# KiCad board SparkFun_GNSS_HAT+_panelized.kicad_pcb (continued)
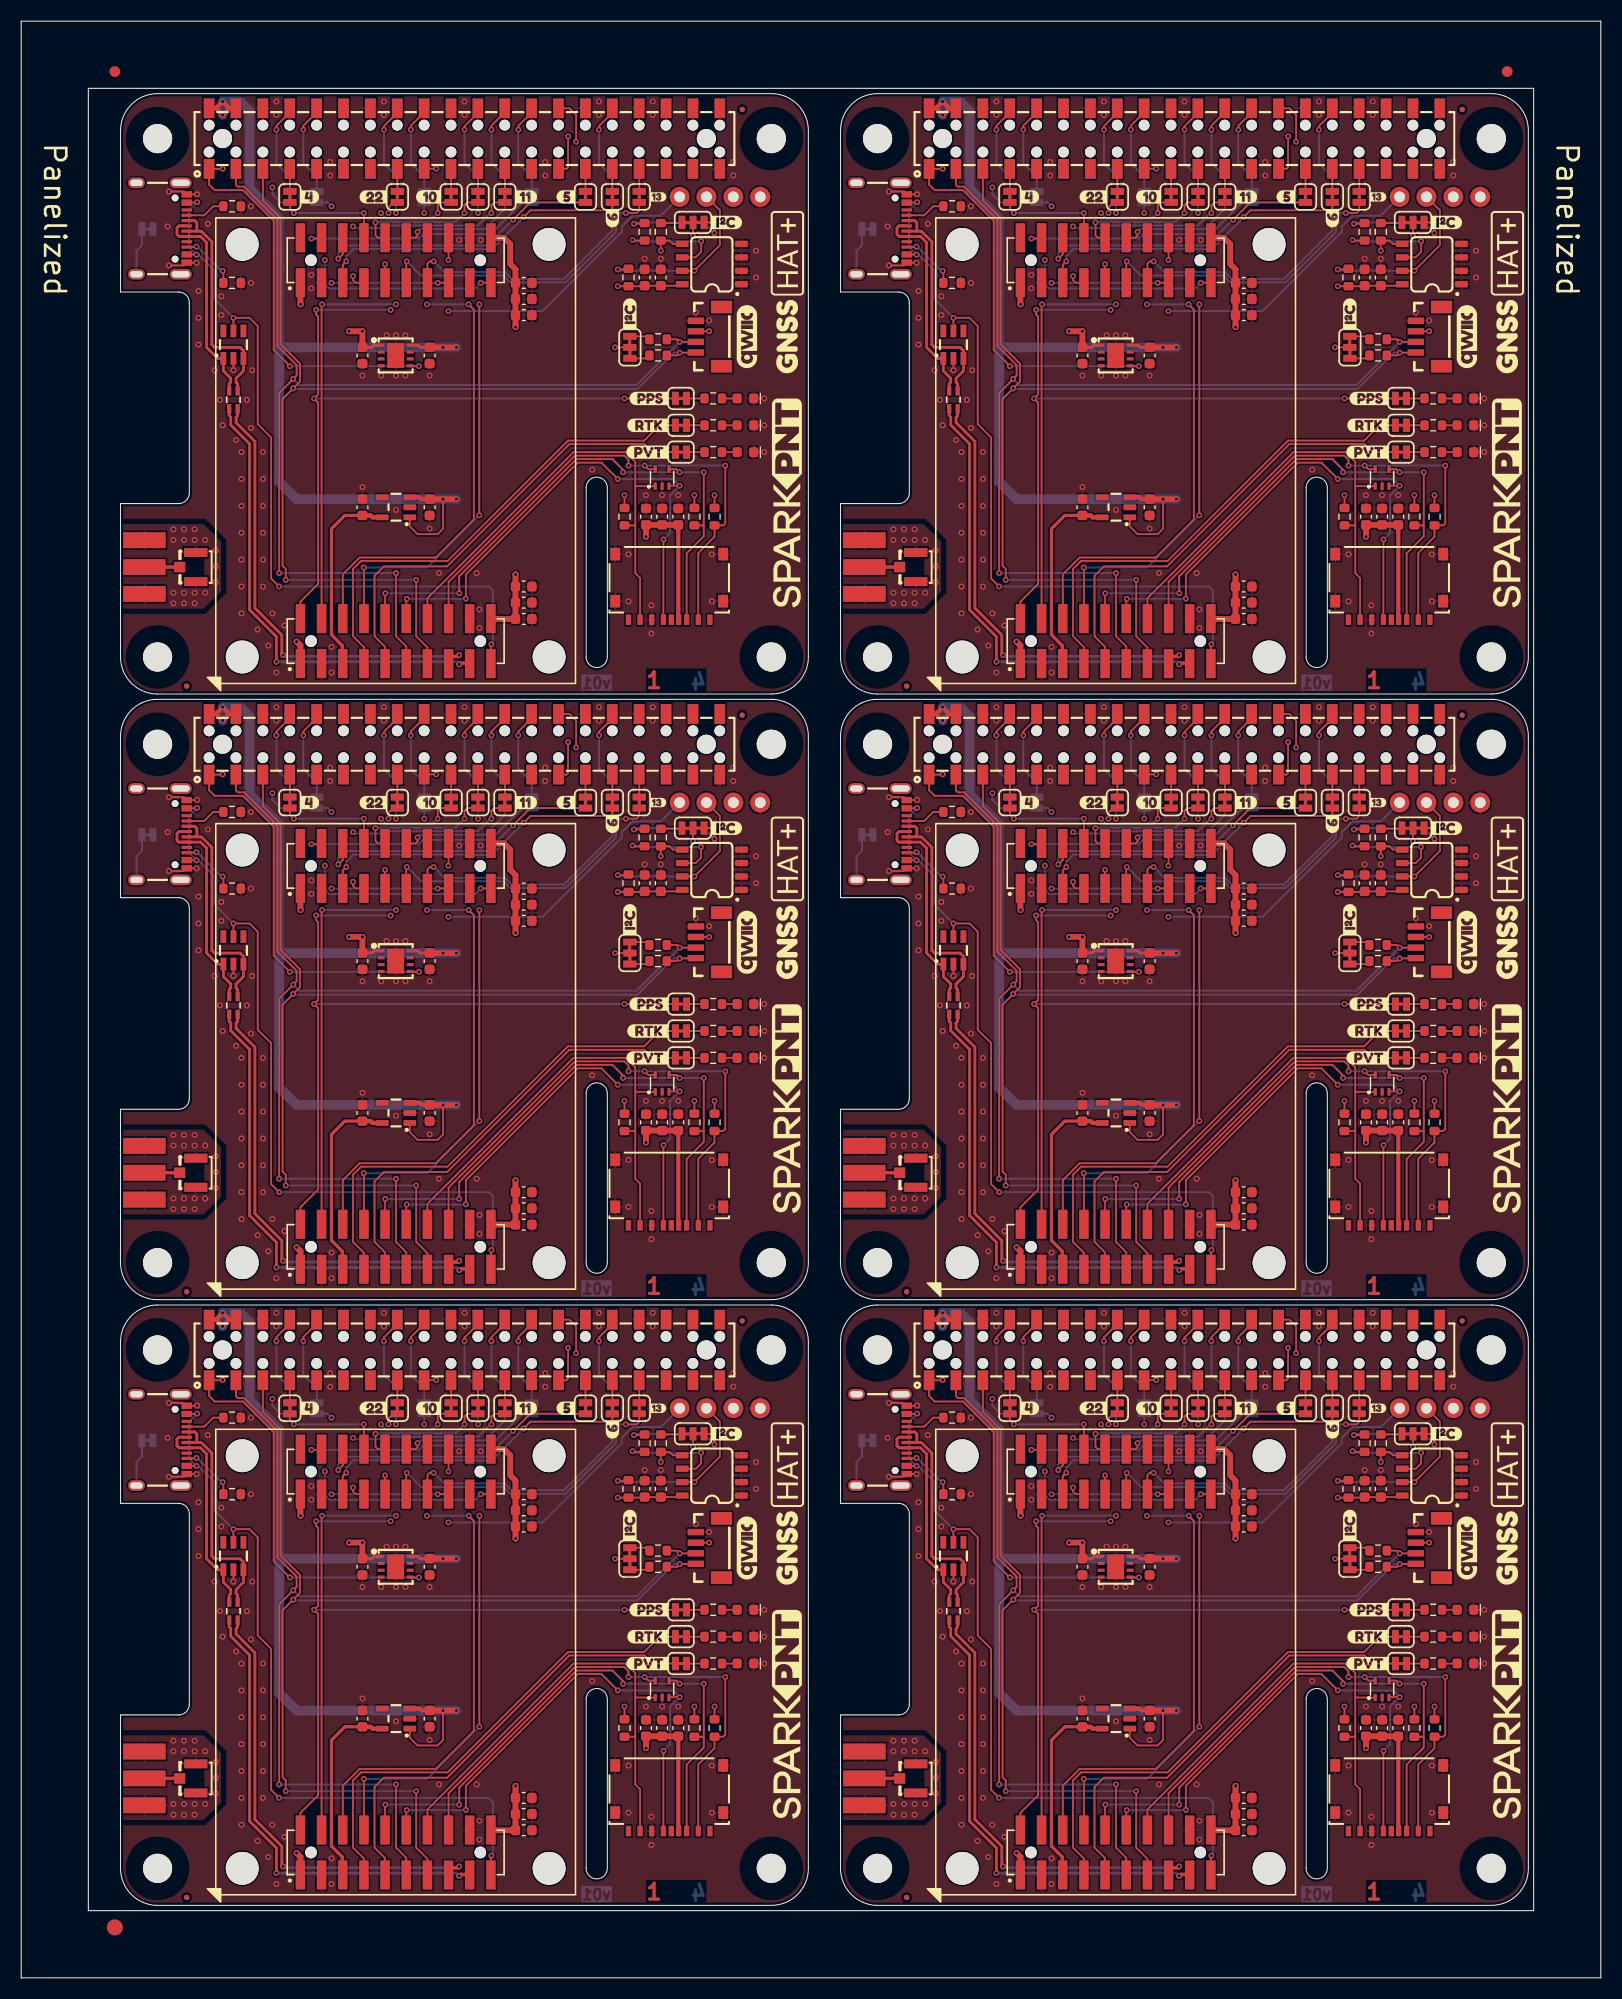
[diagram p0: board, top side]
## Placement (name value [footprint] x y rotation side) (continued)
JP9#5  ~  [Jumper_2_NC_Trace]  111.21 168.34 90 bottom
JP9#6  ~  [Jumper_2_NC_Trace]  43.17 53.84 90 bottom
JP10  ~  [Jumper_2_NC_Trace]  25.39 168.34 270 top
JP10#2  ~  [Jumper_2_NC_Trace]  93.43 111.09 270 top
JP10#3  ~  [Jumper_2_NC_Trace]  25.39 111.09 270 top
JP10#4  ~  [Jumper_2_NC_Trace]  25.39 53.84 270 top
JP10#5  ~  [Jumper_2_NC_Trace]  93.43 168.34 270 top
JP10#6  ~  [Jumper_2_NC_Trace]  93.43 53.84 270 top
JP11  ~  [Jumper_2_NC_Trace]  121.37 53.84 270 top
JP11#2  ~  [Jumper_2_NC_Trace]  53.33 53.84 270 top
JP11#3  ~  [Jumper_2_NC_Trace]  121.37 168.34 270 top
JP11#4  ~  [Jumper_2_NC_Trace]  53.33 111.09 270 top
JP11#5  ~  [Jumper_2_NC_Trace]  53.33 168.34 270 top
JP11#6  ~  [Jumper_2_NC_Trace]  121.37 111.09 270 top
JP12  ~  [Jumper_2_NC_Trace]  55.87 168.34 270 top
JP12#2  ~  [Jumper_2_NC_Trace]  55.87 53.84 270 top
JP12#3  ~  [Jumper_2_NC_Trace]  55.87 111.09 270 top
JP12#4  ~  [Jumper_2_NC_Trace]  123.91 111.09 270 top
JP12#5  ~  [Jumper_2_NC_Trace]  123.91 53.84 270 top
JP12#6  ~  [Jumper_2_NC_Trace]  123.91 168.34 270 top
JP13  ~  [Jumper_2_NC_Trace]  116.29 168.34 270 bottom
JP13#2  ~  [Jumper_2_NC_Trace]  48.25 53.84 270 bottom
JP13#3  ~  [Jumper_2_NC_Trace]  48.25 111.09 270 bottom
JP13#4  ~  [Jumper_2_NC_Trace]  48.25 168.34 270 bottom
JP13#5  ~  [Jumper_2_NC_Trace]  116.29 111.09 270 bottom
JP13#6  ~  [Jumper_2_NC_Trace]  116.29 53.84 270 bottom
JP14  ~  [Jumper_2_NC_Trace]  45.71 111.09 270 bottom
JP14#2  ~  [Jumper_2_NC_Trace]  113.75 168.34 270 bottom
JP14#3  ~  [Jumper_2_NC_Trace]  45.71 168.34 270 bottom
JP14#4  ~  [Jumper_2_NC_Trace]  113.75 111.09 270 bottom
JP14#5  ~  [Jumper_2_NC_Trace]  45.71 53.84 270 bottom
JP14#6  ~  [Jumper_2_NC_Trace]  113.75 53.84 270 bottom
JP15  ~  [Jumper_2_NC_Trace]  43.17 168.34 270 top
JP15#2  ~  [Jumper_2_NC_Trace]  111.21 111.09 270 top
JP15#3  ~  [Jumper_2_NC_Trace]  43.17 53.84 270 top
JP15#4  ~  [Jumper_2_NC_Trace]  111.21 168.34 270 top
JP15#5  ~  [Jumper_2_NC_Trace]  43.17 111.09 270 top
JP15#6  ~  [Jumper_2_NC_Trace]  111.21 53.84 270 top
JP16  ~  [Jumper_2_NC_Trace]  40.63 168.34 270 top
JP16#2  ~  [Jumper_2_NC_Trace]  108.67 53.84 270 top
JP16#3  ~  [Jumper_2_NC_Trace]  40.63 53.84 270 top
JP16#4  ~  [Jumper_2_NC_Trace]  40.63 111.09 270 top
JP16#5  ~  [Jumper_2_NC_Trace]  108.67 111.09 270 top
JP16#6  ~  [Jumper_2_NC_Trace]  108.67 168.34 270 top
JP17  ~  [Jumper_2_NC_Trace]  113.75 53.84 270 top
JP17#2  ~  [Jumper_2_NC_Trace]  45.71 53.84 270 top
JP17#3  ~  [Jumper_2_NC_Trace]  45.71 168.34 270 top
JP17#4  ~  [Jumper_2_NC_Trace]  45.71 111.09 270 top
JP17#5  ~  [Jumper_2_NC_Trace]  113.75 111.09 270 top
JP17#6  ~  [Jumper_2_NC_Trace]  113.75 168.34 270 top
JP18  ~  [Jumper_2_NC_Trace]  123.91 53.84 270 bottom
JP18#2  ~  [Jumper_2_NC_Trace]  123.91 168.34 270 bottom
JP18#3  ~  [Jumper_2_NC_Trace]  55.87 111.09 270 bottom
JP18#4  ~  [Jumper_2_NC_Trace]  55.87 53.84 270 bottom
JP18#5  ~  [Jumper_2_NC_Trace]  55.87 168.34 270 bottom
JP18#6  ~  [Jumper_2_NC_Trace]  123.91 111.09 270 bottom
JP19  ~  [Jumper_2_NC_Trace]  58.41 168.34 270 top
JP19#2  ~  [Jumper_2_NC_Trace]  126.45 168.34 270 top
JP19#3  ~  [Jumper_2_NC_Trace]  58.41 53.84 270 top
JP19#4  ~  [Jumper_2_NC_Trace]  126.45 111.09 270 top
JP19#5  ~  [Jumper_2_NC_Trace]  58.41 111.09 270 top
JP19#6  ~  [Jumper_2_NC_Trace]  126.45 53.84 270 top
JP20  ~  [Jumper_2_NC_Trace]  130.39 89.5 0 top
JP20#2  ~  [Jumper_2_NC_Trace]  130.39 32.25 0 top
JP20#3  ~  [Jumper_2_NC_Trace]  62.35 146.75 0 top
JP20#4  ~  [Jumper_2_NC_Trace]  62.35 32.25 0 top
JP20#5  ~  [Jumper_2_NC_Trace]  62.35 89.5 0 top
JP20#6  ~  [Jumper_2_NC_Trace]  130.39 146.75 0 top
JP21  ~  [Jumper_2_NC_Trace]  62.35 144.21 0 top
JP21#2  ~  [Jumper_2_NC_Trace]  62.35 29.71 0 top
JP21#3  ~  [Jumper_2_NC_Trace]  130.39 29.71 0 top
JP21#4  ~  [Jumper_2_NC_Trace]  130.39 86.96 0 top
JP21#5  ~  [Jumper_2_NC_Trace]  62.35 86.96 0 top
JP21#6  ~  [Jumper_2_NC_Trace]  130.39 144.21 0 top
JP22  ~  [Jumper_2_NC_Trace]  130.39 149.29 0 top
JP22#2  ~  [Jumper_2_NC_Trace]  62.35 34.79 0 top
JP22#3  ~  [Jumper_2_NC_Trace]  130.39 34.79 0 top
JP22#4  ~  [Jumper_2_NC_Trace]  62.35 92.04 0 top
JP22#5  ~  [Jumper_2_NC_Trace]  130.39 92.04 0 top
JP22#6  ~  [Jumper_2_NC_Trace]  62.35 149.29 0 top
kibuzzard-678F8AD2  G***  [kibuzzard-678F8AD2]  62.22 108.55 270 bottom
kibuzzard-678F8AD2#2  G***  [kibuzzard-678F8AD2]  62.22 51.3 270 bottom
kibuzzard-678F8AD2#3  G***  [kibuzzard-678F8AD2]  130.26 165.8 270 bottom
kibuzzard-678F8AD2#4  G***  [kibuzzard-678F8AD2]  130.26 51.3 270 bottom
kibuzzard-678F8AD2#5  G***  [kibuzzard-678F8AD2]  62.22 165.8 270 bottom
kibuzzard-678F8AD2#6  G***  [kibuzzard-678F8AD2]  130.26 108.55 270 bottom
kibuzzard-678F8D59  G***  [kibuzzard-678F8D59]  95.34 53.84 0 top
kibuzzard-678F8D59#2  G***  [kibuzzard-678F8D59]  95.34 111.09 0 top
kibuzzard-678F8D59#3  G***  [kibuzzard-678F8D59]  95.34 168.34 0 top
kibuzzard-678F8D59#4  G***  [kibuzzard-678F8D59]  27.3 53.84 0 top
kibuzzard-678F8D59#5  G***  [kibuzzard-678F8D59]  27.3 168.34 0 top
kibuzzard-678F8D59#6  G***  [kibuzzard-678F8D59]  27.3 111.09 0 top
kibuzzard-678F8D86  G***  [kibuzzard-678F8D86]  33.27 168.34 0 top
kibuzzard-678F8D86#2  G***  [kibuzzard-678F8D86]  33.27 111.09 0 top
kibuzzard-678F8D86#3  G***  [kibuzzard-678F8D86]  101.31 111.09 0 top
kibuzzard-678F8D86#4  G***  [kibuzzard-678F8D86]  101.31 53.84 0 top
kibuzzard-678F8D86#5  G***  [kibuzzard-678F8D86]  33.27 53.84 0 top
kibuzzard-678F8D86#6  G***  [kibuzzard-678F8D86]  101.31 168.34 0 top
kibuzzard-678F8DB2  G***  [kibuzzard-678F8DB2]  47.74 111.09 0 top
kibuzzard-678F8DB2#2  G***  [kibuzzard-678F8DB2]  47.74 168.34 0 top
kibuzzard-678F8DB2#3  G***  [kibuzzard-678F8DB2]  47.74 53.84 0 top
kibuzzard-678F8DB2#4  G***  [kibuzzard-678F8DB2]  115.78 111.09 0 top
kibuzzard-678F8DB2#5  G***  [kibuzzard-678F8DB2]  115.78 53.84 0 top
kibuzzard-678F8DB2#6  G***  [kibuzzard-678F8DB2]  115.78 168.34 0 top
kibuzzard-678F8DFF  G***  [kibuzzard-678F8DFF]  60.19 111.09 0 top
kibuzzard-678F8DFF#2  G***  [kibuzzard-678F8DFF]  128.23 111.09 0 top
kibuzzard-678F8DFF#3  G***  [kibuzzard-678F8DFF]  60.19 168.34 0 top
kibuzzard-678F8DFF#4  G***  [kibuzzard-678F8DFF]  128.23 168.34 0 top
kibuzzard-678F8DFF#5  G***  [kibuzzard-678F8DFF]  60.19 53.84 0 top
kibuzzard-678F8DFF#6  G***  [kibuzzard-678F8DFF]  128.23 53.84 0 top
kibuzzard-678F8E11  G***  [kibuzzard-678F8E11]  119.47 168.34 0 top
kibuzzard-678F8E11#2  G***  [kibuzzard-678F8E11]  51.43 53.84 0 top
kibuzzard-678F8E11#3  G***  [kibuzzard-678F8E11]  119.47 111.09 0 top
kibuzzard-678F8E11#4  G***  [kibuzzard-678F8E11]  51.43 168.34 0 top
kibuzzard-678F8E11#5  G***  [kibuzzard-678F8E11]  119.47 53.84 0 top
kibuzzard-678F8E11#6  G***  [kibuzzard-678F8E11]  51.43 111.09 0 top
kibuzzard-678F8E25  G***  [kibuzzard-678F8E25]  123.91 166.31 90 top
kibuzzard-678F8E25#2  G***  [kibuzzard-678F8E25]  123.91 109.06 90 top
kibuzzard-678F8E25#3  G***  [kibuzzard-678F8E25]  123.91 51.81 90 top
kibuzzard-678F8E25#4  G***  [kibuzzard-678F8E25]  55.87 51.81 90 top
kibuzzard-678F8E25#5  G***  [kibuzzard-678F8E25]  55.87 109.06 90 top
kibuzzard-678F8E25#6  G***  [kibuzzard-678F8E25]  55.87 166.31 90 top
kibuzzard-678F8E41  G***  [kibuzzard-678F8E41]  38.47 168.34 0 top
kibuzzard-678F8E41#2  G***  [kibuzzard-678F8E41]  106.51 111.09 0 top
kibuzzard-678F8E41#3  G***  [kibuzzard-678F8E41]  106.51 53.84 0 top
kibuzzard-678F8E41#4  G***  [kibuzzard-678F8E41]  106.51 168.34 0 top
kibuzzard-678F8E41#5  G***  [kibuzzard-678F8E41]  38.47 53.84 0 top
kibuzzard-678F8E41#6  G***  [kibuzzard-678F8E41]  38.47 111.09 0 top
kibuzzard-678F8E95  G***  [kibuzzard-678F8E95]  53.71 53.84 180 bottom
kibuzzard-678F8E95#2  G***  [kibuzzard-678F8E95]  121.75 53.84 180 bottom
kibuzzard-678F8E95#3  G***  [kibuzzard-678F8E95]  53.71 111.09 180 bottom
kibuzzard-678F8E95#4  G***  [kibuzzard-678F8E95]  121.75 168.34 180 bottom
kibuzzard-678F8E95#5  G***  [kibuzzard-678F8E95]  121.75 111.09 180 bottom
kibuzzard-678F8E95#6  G***  [kibuzzard-678F8E95]  53.71 168.34 180 bottom
kibuzzard-678F8EB4  G***  [kibuzzard-678F8EB4]  118.2 53.84 180 bottom
kibuzzard-678F8EB4#2  G***  [kibuzzard-678F8EB4]  50.16 53.84 180 bottom
kibuzzard-678F8EB4#3  G***  [kibuzzard-678F8EB4]  50.16 111.09 180 bottom
kibuzzard-678F8EB4#4  G***  [kibuzzard-678F8EB4]  50.16 168.34 180 bottom
kibuzzard-678F8EB4#5  G***  [kibuzzard-678F8EB4]  118.2 168.34 180 bottom
kibuzzard-678F8EB4#6  G***  [kibuzzard-678F8EB4]  118.2 111.09 180 bottom
kibuzzard-678F8ED3  G***  [kibuzzard-678F8ED3]  109.31 168.85 180 bottom
kibuzzard-678F8ED3#2  G***  [kibuzzard-678F8ED3]  41.27 54.35 180 bottom
kibuzzard-678F8ED3#3  G***  [kibuzzard-678F8ED3]  109.31 111.6 180 bottom
kibuzzard-678F8ED3#4  G***  [kibuzzard-678F8ED3]  41.27 168.85 180 bottom
kibuzzard-678F8ED3#5  G***  [kibuzzard-678F8ED3]  41.27 111.6 180 bottom
kibuzzard-678F8ED3#6  G***  [kibuzzard-678F8ED3]  109.31 54.35 180 bottom
kibuzzard-678F8EED  G***  [kibuzzard-678F8EED]  40 110.58 180 bottom
kibuzzard-678F8EED#2  G***  [kibuzzard-678F8EED]  108.04 167.83 180 bottom
kibuzzard-678F8EED#3  G***  [kibuzzard-678F8EED]  108.04 110.58 180 bottom
kibuzzard-678F8EED#4  G***  [kibuzzard-678F8EED]  40 167.83 180 bottom
kibuzzard-678F8EED#5  G***  [kibuzzard-678F8EED]  108.04 53.33 180 bottom
kibuzzard-678F8EED#6  G***  [kibuzzard-678F8EED]  40 53.33 180 bottom
kibuzzard-678F8F2B  G***  [kibuzzard-678F8F2B]  30.09 168.34 180 bottom
kibuzzard-678F8F2B#2  G***  [kibuzzard-678F8F2B]  98.13 53.84 180 bottom
kibuzzard-678F8F2B#3  G***  [kibuzzard-678F8F2B]  98.13 168.34 180 bottom
kibuzzard-678F8F2B#4  G***  [kibuzzard-678F8F2B]  98.13 111.09 180 bottom
kibuzzard-678F8F2B#5  G***  [kibuzzard-678F8F2B]  30.09 111.09 180 bottom
kibuzzard-678F8F2B#6  G***  [kibuzzard-678F8F2B]  30.09 53.84 180 bottom
kibuzzard-678F8F11  G***  [kibuzzard-678F8F11]  101.31 168.34 180 bottom
kibuzzard-678F8F11#2  G***  [kibuzzard-678F8F11]  101.31 111.09 180 bottom
kibuzzard-678F8F11#3  G***  [kibuzzard-678F8F11]  33.27 111.09 180 bottom
kibuzzard-678F8F11#4  G***  [kibuzzard-678F8F11]  33.27 168.34 180 bottom
kibuzzard-678F8F11#5  G***  [kibuzzard-678F8F11]  33.27 53.84 180 bottom
kibuzzard-678F8F11#6  G***  [kibuzzard-678F8F11]  101.31 53.84 180 bottom
kibuzzard-678F8F42  G***  [kibuzzard-678F8F42]  91.27 168.34 180 bottom
kibuzzard-678F8F42#2  G***  [kibuzzard-678F8F42]  23.23 111.09 180 bottom
kibuzzard-678F8F42#3  G***  [kibuzzard-678F8F42]  91.27 53.84 180 bottom
kibuzzard-678F8F42#4  G***  [kibuzzard-678F8F42]  91.27 111.09 180 bottom
kibuzzard-678F8F42#5  G***  [kibuzzard-678F8F42]  23.23 168.34 180 bottom
kibuzzard-678F8F42#6  G***  [kibuzzard-678F8F42]  23.23 53.84 180 bottom
kibuzzard-678F8FC6  G***  [kibuzzard-678F8FC6]  113.75 52.06 270 bottom
kibuzzard-678F8FC6#2  G***  [kibuzzard-678F8FC6]  45.71 109.31 270 bottom
kibuzzard-678F8FC6#3  G***  [kibuzzard-678F8FC6]  113.75 109.31 270 bottom
kibuzzard-678F8FC6#4  G***  [kibuzzard-678F8FC6]  45.71 52.06 270 bottom
kibuzzard-678F8FC6#5  G***  [kibuzzard-678F8FC6]  113.75 166.56 270 bottom
kibuzzard-678F8FC6#6  G***  [kibuzzard-678F8FC6]  45.71 166.56 270 bottom
kibuzzard-678F89CB  G***  [kibuzzard-678F89CB]  69.84 165.93 270 bottom
kibuzzard-678F89CB#2  G***  [kibuzzard-678F89CB]  69.84 108.68 270 bottom
kibuzzard-678F89CB#3  G***  [kibuzzard-678F89CB]  137.88 51.43 270 bottom
kibuzzard-678F89CB#4  G***  [kibuzzard-678F89CB]  137.88 165.93 270 bottom
kibuzzard-678F89CB#5  G***  [kibuzzard-678F89CB]  69.84 51.43 270 bottom
kibuzzard-678F89CB#6  G***  [kibuzzard-678F89CB]  137.88 108.68 270 bottom
kibuzzard-678F89E9  G***  [kibuzzard-678F89E9]  135.34 51.55 270 bottom
kibuzzard-678F89E9#2  G***  [kibuzzard-678F89E9]  135.34 108.8 270 bottom
kibuzzard-678F89E9#3  G***  [kibuzzard-678F89E9]  67.3 51.55 270 bottom
kibuzzard-678F89E9#4  G***  [kibuzzard-678F89E9]  67.3 166.05 270 bottom
kibuzzard-678F89E9#5  G***  [kibuzzard-678F89E9]  135.34 166.05 270 bottom
kibuzzard-678F89E9#6  G***  [kibuzzard-678F89E9]  67.3 108.8 270 bottom
kibuzzard-678F92B8  G***  [kibuzzard-678F92B8]  81.88 165.29 270 bottom
kibuzzard-678F92B8#2  G***  [kibuzzard-678F92B8]  13.83 108.04 270 bottom
kibuzzard-678F92B8#3  G***  [kibuzzard-678F92B8]  13.83 165.29 270 bottom
kibuzzard-678F92B8#4  G***  [kibuzzard-678F92B8]  81.88 50.79 270 bottom
kibuzzard-678F92B8#5  G***  [kibuzzard-678F92B8]  81.88 108.04 270 bottom
kibuzzard-678F92B8#6  G***  [kibuzzard-678F92B8]  13.83 50.79 270 bottom
kibuzzard-678F852F  G***  [kibuzzard-678F852F]  140.42 97.88 90 top
kibuzzard-678F852F#2  G***  [kibuzzard-678F852F]  140.42 40.63 90 top
kibuzzard-678F852F#3  G***  [kibuzzard-678F852F]  72.38 40.63 90 top
kibuzzard-678F852F#4  G***  [kibuzzard-678F852F]  140.42 155.13 90 top
kibuzzard-678F852F#5  G***  [kibuzzard-678F852F]  72.38 155.13 90 top
kibuzzard-678F852F#6  G***  [kibuzzard-678F852F]  72.38 97.88 90 top
kibuzzard-678F852F#7  G***  [kibuzzard-678F852F]  45.97 88.1 180 bottom
kibuzzard-678F852F#8  G***  [kibuzzard-678F852F]  114.01 145.35 180 bottom
kibuzzard-678F852F#9  G***  [kibuzzard-678F852F]  45.97 30.85 180 bottom
kibuzzard-678F852F#10  G***  [kibuzzard-678F852F]  45.97 145.35 180 bottom
kibuzzard-678F852F#11  G***  [kibuzzard-678F852F]  114.01 88.1 180 bottom
kibuzzard-678F852F#12  G***  [kibuzzard-678F852F]  114.01 30.85 180 bottom
kibuzzard-678F878F  G***  [kibuzzard-678F878F]  127.21 29.71 0 top
kibuzzard-678F878F#2  G***  [kibuzzard-678F878F]  59.17 144.21 0 top
kibuzzard-678F878F#3  G***  [kibuzzard-678F878F]  59.17 29.71 0 top
kibuzzard-678F878F#4  G***  [kibuzzard-678F878F]  59.17 86.96 0 top
kibuzzard-678F878F#5  G***  [kibuzzard-678F878F]  127.21 86.96 0 top
kibuzzard-678F878F#6  G***  [kibuzzard-678F878F]  127.21 144.21 0 top
kibuzzard-678F893B  G***  [kibuzzard-678F893B]  125.56 42.79 90 top
kibuzzard-678F893B#2  G***  [kibuzzard-678F893B]  57.52 157.29 90 top
kibuzzard-678F893B#3  G***  [kibuzzard-678F893B]  134.71 108.68 0 top
kibuzzard-678F893B#4  G***  [kibuzzard-678F893B]  66.67 51.43 0 top
kibuzzard-678F893B#5  G***  [kibuzzard-678F893B]  125.56 100.04 90 top
kibuzzard-678F893B#6  G***  [kibuzzard-678F893B]  66.67 108.68 0 top
kibuzzard-678F893B#7  G***  [kibuzzard-678F893B]  66.67 165.93 0 top
kibuzzard-678F893B#8  G***  [kibuzzard-678F893B]  125.56 157.29 90 top
kibuzzard-678F893B#9  G***  [kibuzzard-678F893B]  134.71 165.93 0 top
kibuzzard-678F893B#10  G***  [kibuzzard-678F893B]  134.71 51.43 0 top
kibuzzard-678F893B#11  G***  [kibuzzard-678F893B]  57.52 100.04 90 top
kibuzzard-678F893B#12  G***  [kibuzzard-678F893B]  57.52 42.79 90 top
kibuzzard-678F918F  G***  [kibuzzard-678F918F]  132.8 51.55 270 bottom
kibuzzard-678F918F#2  G***  [kibuzzard-678F918F]  132.8 166.05 270 bottom
kibuzzard-678F918F#3  G***  [kibuzzard-678F918F]  132.8 108.8 270 bottom
kibuzzard-678F918F#4  G***  [kibuzzard-678F918F]  64.76 51.55 270 bottom
kibuzzard-678F918F#5  G***  [kibuzzard-678F918F]  64.76 108.8 270 bottom
kibuzzard-678F918F#6  G***  [kibuzzard-678F918F]  64.76 166.05 270 bottom
kibuzzard-678F8755  G***  [kibuzzard-678F8755]  127.34 34.79 0 top
kibuzzard-678F8755#2  G***  [kibuzzard-678F8755]  59.3 149.29 0 top
kibuzzard-678F8755#3  G***  [kibuzzard-678F8755]  127.34 92.04 0 top
kibuzzard-678F8755#4  G***  [kibuzzard-678F8755]  127.34 149.29 0 top
kibuzzard-678F8755#5  G***  [kibuzzard-678F8755]  59.3 34.79 0 top
kibuzzard-678F8755#6  G***  [kibuzzard-678F8755]  59.3 92.04 0 top
kibuzzard-678F8777  G***  [kibuzzard-678F8777]  127.21 89.5 0 top
kibuzzard-678F8777#2  G***  [kibuzzard-678F8777]  59.17 146.75 0 top
kibuzzard-678F8777#3  G***  [kibuzzard-678F8777]  127.21 32.25 0 top
kibuzzard-678F8777#4  G***  [kibuzzard-678F8777]  59.17 89.5 0 top
kibuzzard-678F8777#5  G***  [kibuzzard-678F8777]  59.17 32.25 0 top
kibuzzard-678F8777#6  G***  [kibuzzard-678F8777]  127.21 146.75 0 top
NOREF  -  [Fiducial_1.5mm_Mask3mm]  8.85 4.76 0 top
NOREF#2  -  [Fiducial_1mm_Mask3mm]  8.85 180.19 0 top
NOREF#3  -  [Fiducial_1mm_Mask3mm]  140.43 180.19 0 top
NOREF#4  -  [Fiducial_1mm_Mask3mm]  8.85 180.19 0 bottom
NOREF#5  -  [Fiducial_1mm_Mask3mm]  140.43 180.19 0 bottom
NOREF#6  -  [Fiducial_1.5mm_Mask3mm]  8.85 4.76 0 bottom
R1  3.6k  [R_0603_1608Metric]  126.96 107.79 90 top
R1#2  3.6k  [R_0603_1608Metric]  58.92 165.04 90 top
R1#3  3.6k  [R_0603_1608Metric]  126.96 50.54 90 top
R1#4  3.6k  [R_0603_1608Metric]  58.92 50.54 90 top
R1#5  3.6k  [R_0603_1608Metric]  126.96 165.04 90 top
R1#6  3.6k  [R_0603_1608Metric]  58.92 107.79 90 top
R2  3.6k  [R_0603_1608Metric]  60.44 165.04 90 top
R2#2  3.6k  [R_0603_1608Metric]  128.48 165.04 90 top
R2#3  3.6k  [R_0603_1608Metric]  128.48 50.54 90 top
R2#4  3.6k  [R_0603_1608Metric]  128.48 107.79 90 top
R2#5  3.6k  [R_0603_1608Metric]  60.44 50.54 90 top
R2#6  3.6k  [R_0603_1608Metric]  60.44 107.79 90 top
R3  1k  [R_0603_1608Metric]  57.4 160.72 270 top
R3#2  1k  [R_0603_1608Metric]  57.4 103.47 270 top
R3#3  1k  [R_0603_1608Metric]  125.44 160.72 270 top
R3#4  1k  [R_0603_1608Metric]  125.44 103.47 270 top
R3#5  1k  [R_0603_1608Metric]  125.44 46.22 270 top
R3#6  1k  [R_0603_1608Metric]  57.4 46.22 270 top
R4  3.6k  [R_0603_1608Metric]  60.19 40.38 180 top
R4#2  3.6k  [R_0603_1608Metric]  128.23 154.88 180 top
R4#3  3.6k  [R_0603_1608Metric]  128.23 97.63 180 top
R4#4  3.6k  [R_0603_1608Metric]  60.19 97.63 180 top
R4#5  3.6k  [R_0603_1608Metric]  128.23 40.38 180 top
R4#6  3.6k  [R_0603_1608Metric]  60.19 154.88 180 top
R5  3.6k  [R_0603_1608Metric]  128.23 153.35 180 top
R5#2  3.6k  [R_0603_1608Metric]  60.19 38.85 180 top
R5#3  3.6k  [R_0603_1608Metric]  60.19 96.1 180 top
R5#4  3.6k  [R_0603_1608Metric]  128.23 96.1 180 top
R5#5  3.6k  [R_0603_1608Metric]  128.23 38.85 180 top
R5#6  3.6k  [R_0603_1608Metric]  60.19 153.35 180 top
R6  10k  [R_0603_1608Metric]  65.52 23.61 90 top
R6#2  10k  [R_0603_1608Metric]  133.56 23.61 90 top
R6#3  10k  [R_0603_1608Metric]  65.52 138.11 90 top
R6#4  10k  [R_0603_1608Metric]  133.56 138.11 90 top
R6#5  10k  [R_0603_1608Metric]  65.52 80.86 90 top
R6#6  10k  [R_0603_1608Metric]  133.56 80.86 90 top
R7  10k  [R_0603_1608Metric]  131.66 23.61 90 top
R7#2  10k  [R_0603_1608Metric]  131.66 80.86 90 top
R7#3  10k  [R_0603_1608Metric]  63.62 138.11 90 top
R7#4  10k  [R_0603_1608Metric]  63.62 23.61 90 top
R7#5  10k  [R_0603_1608Metric]  63.62 80.86 90 top
R7#6  10k  [R_0603_1608Metric]  131.66 138.11 90 top
R8  10k  [R_0603_1608Metric]  57.01 23.61 90 top
R8#2  10k  [R_0603_1608Metric]  125.06 23.61 90 top
R8#3  10k  [R_0603_1608Metric]  57.01 138.11 90 top
R8#4  10k  [R_0603_1608Metric]  125.06 80.86 90 top
R8#5  10k  [R_0603_1608Metric]  57.01 80.86 90 top
R8#6  10k  [R_0603_1608Metric]  125.06 138.11 90 top
R9  5.1k  [R_0603_1608Metric]  87.97 110.2 180 top
R9#2  5.1k  [R_0603_1608Metric]  87.97 52.95 180 top
R9#3  5.1k  [R_0603_1608Metric]  19.93 110.2 180 top
R9#4  5.1k  [R_0603_1608Metric]  19.93 52.95 180 top
R9#5  5.1k  [R_0603_1608Metric]  87.97 167.45 180 top
R9#6  5.1k  [R_0603_1608Metric]  19.93 167.45 180 top
R10  5.1k  [R_0603_1608Metric]  19.93 160.21 180 top
R10#2  5.1k  [R_0603_1608Metric]  87.97 45.71 180 top
R10#3  5.1k  [R_0603_1608Metric]  19.93 102.96 180 top
R10#4  5.1k  [R_0603_1608Metric]  87.97 102.96 180 top
R10#5  5.1k  [R_0603_1608Metric]  87.97 160.21 180 top
R10#6  5.1k  [R_0603_1608Metric]  19.93 45.71 180 top
R11  2.2k  [R_0603_1608Metric]  133.44 146.75 180 top
R11#2  2.2k  [R_0603_1608Metric]  133.44 32.25 180 top
R11#3  2.2k  [R_0603_1608Metric]  65.4 89.5 180 top
R11#4  2.2k  [R_0603_1608Metric]  65.4 32.25 180 top
R11#5  2.2k  [R_0603_1608Metric]  65.4 146.75 180 top
R11#6  2.2k  [R_0603_1608Metric]  133.44 89.5 180 top
R12  2.2k  [R_0603_1608Metric]  65.4 86.96 180 top
R12#2  2.2k  [R_0603_1608Metric]  133.44 29.71 180 top
R12#3  2.2k  [R_0603_1608Metric]  133.44 86.96 180 top
R12#4  2.2k  [R_0603_1608Metric]  65.4 29.71 180 top
R12#5  2.2k  [R_0603_1608Metric]  133.44 144.21 180 top
R12#6  2.2k  [R_0603_1608Metric]  65.4 144.21 180 top
R13  2.2k  [R_0603_1608Metric]  65.4 149.29 180 top
R13#2  2.2k  [R_0603_1608Metric]  65.4 34.79 180 top
R13#3  2.2k  [R_0603_1608Metric]  133.44 149.29 180 top
R13#4  2.2k  [R_0603_1608Metric]  65.4 92.04 180 top
R13#5  2.2k  [R_0603_1608Metric]  133.44 92.04 180 top
R13#6  2.2k  [R_0603_1608Metric]  133.44 34.79 180 top
REF**  -  [RPi_HAT+_8mm]  140.42 105.76 90 top
REF**#2  -  [RPi_HAT+_8mm]  140.42 48.51 90 top
REF**#3  -  [RPi_HAT+_8mm]  72.38 163.01 90 top
REF**#4  -  [RPi_HAT+_8mm]  72.38 48.51 90 top
REF**#5  -  [RPi_HAT+_8mm]  72.38 105.76 90 top
REF**#6  -  [RPi_HAT+_8mm]  140.42 163.01 90 top
REF**#7  -  [RPi_HAT+_8mm]  37.84 30.85 180 bottom
REF**#8  -  [RPi_HAT+_8mm]  37.84 145.35 180 bottom
REF**#9  -  [RPi_HAT+_8mm]  105.88 30.85 180 bottom
REF**#10  -  [RPi_HAT+_8mm]  105.88 88.1 180 bottom
REF**#11  -  [RPi_HAT+_8mm]  37.84 88.1 180 bottom
REF**#12  -  [RPi_HAT+_8mm]  105.88 145.35 180 bottom
RST.1  PTH  [1x01]  130.26 53.84 0 top
RST.1#2  PTH  [1x01]  130.26 168.34 0 top
RST.1#3  PTH  [1x01]  130.26 111.09 0 top
RST.1#4  PTH  [1x01]  62.22 111.09 0 top
RST.1#5  PTH  [1x01]  62.22 168.34 0 top
RST.1#6  PTH  [1x01]  62.22 53.84 0 top
ST1  -  [Standoff]  88.93 106.6 0 top
ST1#2  -  [Standoff]  20.89 49.35 0 top
ST1#3  -  [Standoff]  88.93 49.35 0 top
ST1#4  -  [Standoff]  20.89 163.85 0 top
ST1#5  -  [Standoff]  88.93 163.85 0 top
ST1#6  -  [Standoff]  20.89 106.6 0 top
ST2  -  [Standoff]  49.89 106.6 0 top
ST2#2  -  [Standoff]  49.89 49.35 0 top
ST2#3  -  [Standoff]  117.93 49.35 0 top
ST2#4  -  [Standoff]  49.89 163.85 0 top
ST2#5  -  [Standoff]  117.93 163.85 0 top
ST2#6  -  [Standoff]  117.93 106.6 0 top
ST3  -  [Standoff]  49.89 124.85 0 top
ST3#2  -  [Standoff]  49.89 67.6 0 top
ST3#3  -  [Standoff]  117.93 10.35 0 top
ST3#4  -  [Standoff]  117.93 67.6 0 top
ST3#5  -  [Standoff]  117.93 124.85 0 top
ST3#6  -  [Standoff]  49.89 10.35 0 top
ST4  -  [Standoff]  20.89 10.35 0 top
ST4#2  -  [Standoff]  88.93 67.6 0 top
ST4#3  -  [Standoff]  20.89 124.85 0 top
ST4#4  -  [Standoff]  20.89 67.6 0 top
ST4#5  -  [Standoff]  88.93 10.35 0 top
ST4#6  -  [Standoff]  88.93 124.85 0 top
ST5  Standoff  [Standoff_Raspberry-Pi_HAT+]  80.93 173.85 0 top
ST5#2  Standoff  [Standoff_Raspberry-Pi_HAT+]  12.89 59.35 0 top
ST5#3  Standoff  [Standoff_Raspberry-Pi_HAT+]  80.93 59.35 0 top
ST5#4  Standoff  [Standoff_Raspberry-Pi_HAT+]  80.93 116.6 0 top
ST5#5  Standoff  [Standoff_Raspberry-Pi_HAT+]  12.89 116.6 0 top
ST5#6  Standoff  [Standoff_Raspberry-Pi_HAT+]  12.89 173.85 0 top
ST6  Standoff  [Standoff_Raspberry-Pi_HAT+]  80.93 124.85 0 top
ST6#2  Standoff  [Standoff_Raspberry-Pi_HAT+]  12.89 124.85 0 top
ST6#3  Standoff  [Standoff_Raspberry-Pi_HAT+]  12.89 67.6 0 top
ST6#4  Standoff  [Standoff_Raspberry-Pi_HAT+]  80.93 67.6 0 top
ST6#5  Standoff  [Standoff_Raspberry-Pi_HAT+]  80.93 10.35 0 top
ST6#6  Standoff  [Standoff_Raspberry-Pi_HAT+]  12.89 10.35 0 top
ST7  Standoff  [Standoff_Raspberry-Pi_HAT+]  138.93 67.6 0 top
ST7#2  Standoff  [Standoff_Raspberry-Pi_HAT+]  138.93 124.85 0 top
ST7#3  Standoff  [Standoff_Raspberry-Pi_HAT+]  70.89 124.85 0 top
ST7#4  Standoff  [Standoff_Raspberry-Pi_HAT+]  138.93 10.35 0 top
ST7#5  Standoff  [Standoff_Raspberry-Pi_HAT+]  70.89 10.35 0 top
ST7#6  Standoff  [Standoff_Raspberry-Pi_HAT+]  70.89 67.6 0 top
ST8  Standoff  [Standoff_Raspberry-Pi_HAT+]  70.89 59.35 0 top
ST8#2  Standoff  [Standoff_Raspberry-Pi_HAT+]  138.93 116.6 0 top
ST8#3  Standoff  [Standoff_Raspberry-Pi_HAT+]  70.89 116.6 0 top
ST8#4  Standoff  [Standoff_Raspberry-Pi_HAT+]  70.89 173.85 0 top
ST8#5  Standoff  [Standoff_Raspberry-Pi_HAT+]  138.93 59.35 0 top
ST8#6  Standoff  [Standoff_Raspberry-Pi_HAT+]  138.93 173.85 0 top
TR1  -  [RFCMF1220100M4T]  88.1 34.66 270 top
TR1#2  -  [RFCMF1220100M4T]  20.06 34.66 270 top
TR1#3  -  [RFCMF1220100M4T]  88.1 149.16 270 top
TR1#4  -  [RFCMF1220100M4T]  20.06 149.16 270 top
TR1#5  -  [RFCMF1220100M4T]  20.06 91.91 270 top
TR1#6  -  [RFCMF1220100M4T]  88.1 91.91 270 top
U1  CAT24C512WI-GT3  [SO-8]  65.27 104.74 180 top
U1#2  CAT24C512WI-GT3  [SO-8]  133.31 161.99 180 top
U1#3  CAT24C512WI-GT3  [SO-8]  65.27 47.49 180 top
U1#4  CAT24C512WI-GT3  [SO-8]  133.31 104.74 180 top
U1#5  CAT24C512WI-GT3  [SO-8]  65.27 161.99 180 top
U1#6  CAT24C512WI-GT3  [SO-8]  133.31 47.49 180 top
U2  AP7361C-3.3V  [UDFN-8]  103.43 153.35 0 top
U2#2  AP7361C-3.3V  [UDFN-8]  35.39 153.35 0 top
U2#3  AP7361C-3.3V  [UDFN-8]  103.43 96.1 0 top
U2#4  AP7361C-3.3V  [UDFN-8]  103.43 38.85 0 top
U2#5  AP7361C-3.3V  [UDFN-8]  35.39 38.85 0 top
U2#6  AP7361C-3.3V  [UDFN-8]  35.39 96.1 0 top
U3  STLQ015-3.3  [SOT23-5]  103.47 139 180 top
U3#2  STLQ015-3.3  [SOT23-5]  35.42 81.75 180 top
U3#3  STLQ015-3.3  [SOT23-5]  103.47 81.75 180 top
U3#4  STLQ015-3.3  [SOT23-5]  35.42 139 180 top
U3#5  STLQ015-3.3  [SOT23-5]  35.42 24.5 180 top
U3#6  STLQ015-3.3  [SOT23-5]  103.47 24.5 180 top
WP.1  PTH  [1x01]  64.76 53.84 0 top
WP.1#2  PTH  [1x01]  132.8 168.34 0 top
WP.1#3  PTH  [1x01]  64.76 168.34 0 top
WP.1#4  PTH  [1x01]  132.8 111.09 0 top
WP.1#5  PTH  [1x01]  132.8 53.84 0 top
WP.1#6  PTH  [1x01]  64.76 111.09 0 top

## Library data of the parts
3V3.1 GND.1#4 RST.1#6 WP.1 = -: Description: Test Point; ki_fp_filters: Pin* Test*
3V3.1#2-3V3.1#6 GND.1 GND.1#2 GND.1#3 GND.1#5 GND.1#6 RST.1 RST.1#2-RST.1#5 WP.1#2-WP.1#6 = -: Description: Test Point
C1 C1#2-C1#5 C2 C2#2-C2#4 C2#6 C3 C3#2 C3#3 C3#5 C3#6 C4 C4#3-C4#6 C5 C5#2 C5#3 C5#5 C5#6 C9 C9#2 C9#3 C9#5 C9#6 C11 C11#2 C11#3 C11#5 C11#6 C14 C14#2-C14#4 C14#6 = -: Datasheet: https://cdn.sparkfun.com/assets/8/a/4/a/5/Kemet_Capacitor_Datasheet.pdf; Description: Unpolarized capacitor; PROD_ID: CAP-13930; Voltage: 16V; Tolerance: 10%
C1#6 C2#5 C3#4 C4#2 C5#4 C9#4 C11#4 C14#5 = -: Datasheet: https://cdn.sparkfun.com/assets/8/a/4/a/5/Kemet_Capacitor_Datasheet.pdf; Description: Unpolarized capacitor; PROD_ID: CAP-13930; Voltage: 16V; Tolerance: 10%; ki_fp_filters: C_*
C6 C7#3 C10#3 C13#6 = -: Datasheet: https://cdn.sparkfun.com/assets/8/a/4/a/5/Kemet_Capacitor_Datasheet.pdf; Description: Unpolarized capacitor; PROD_ID: CAP-00810; Voltage: 25V; Tolerance: 20%; ki_fp_filters: C_*
C6#2-C6#6 C7 C7#2 C7#4-C7#6 C10 C10#2 C10#4-C10#6 C13 C13#2-C13#5 = -: Datasheet: https://cdn.sparkfun.com/assets/8/a/4/a/5/Kemet_Capacitor_Datasheet.pdf; Description: Unpolarized capacitor; PROD_ID: CAP-00810; Voltage: 25V; Tolerance: 20%
C8 C8#2-C8#4 C8#6 C12 C12#3-C12#6 C15 C15#2 C15#4-C15#6 = -: Datasheet: https://cdn.sparkfun.com/assets/8/a/4/a/5/Kemet_Capacitor_Datasheet.pdf; Description: Unpolarized capacitor; PROD_ID: CAP-11015; Voltage: 6.3V; Tolerance: 20%
C8#5 C12#2 C15#3 = -: Datasheet: https://cdn.sparkfun.com/assets/8/a/4/a/5/Kemet_Capacitor_Datasheet.pdf; Description: Unpolarized capacitor; PROD_ID: CAP-11015; Voltage: 6.3V; Tolerance: 20%; ki_fp_filters: C_*
D1 = -: Datasheet: https://www.diodes.com/assets/Datasheets/DT1042-04SO.pdf; Description: Very low capacitance ESD protection diode, 4 data-line, SOT-23-6; PROD_ID: IC-13538; ki_fp_filters: SOT?23*
D1#2-D1#6 = -: Datasheet: https://www.diodes.com/assets/Datasheets/DT1042-04SO.pdf; Description: Very low capacitance ESD protection diode, 4 data-line, SOT-23-6; PROD_ID: IC-13538
D2 D2#3-D2#6 = -: Datasheet: https://toshiba.semicon-storage.com/info/DF5A5.6LFU_datasheet_en_20140301.pdf?did=22260&prodName=DF5A5.6LFU; Description: Low capacitance microSD unidirectional quadruple ESD protection diode array, 3.3V, Common Anode, SOT-353; PROD_ID: DIO-20454
D2#2 = -: Datasheet: https://toshiba.semicon-storage.com/info/DF5A5.6LFU_datasheet_en_20140301.pdf?did=22260&prodName=DF5A5.6LFU; Description: Low capacitance microSD unidirectional quadruple ESD protection diode array, 3.3V, Common Anode, SOT-353; PROD_ID: DIO-20454; ki_fp_filters: SOT?353*
D3 D4#5 D5#6 = -: Datasheet: https://media.digikey.com/pdf/Data%20Sheets/Rohm%20PDFs/SMLE12_Series_Rev2.0_2007.pdf; Description: Light emitting diode; PROD_ID: DIO-08575; ki_fp_filters: LED* LED_SMD:* LED_THT:*
D3#2-D3#6 D4 D4#2-D4#4 D4#6 D5 D5#2-D5#5 = -: Datasheet: https://media.digikey.com/pdf/Data%20Sheets/Rohm%20PDFs/SMLE12_Series_Rev2.0_2007.pdf; Description: Light emitting diode; PROD_ID: DIO-08575
FID1 FID1#2 FID1#4-FID1#6 FID2 FID2#2 FID2#4-FID2#6 FID3 FID3#2-FID3#4 FID3#6 FID4 FID4#2 FID4#3 FID4#5 FID4#6 = -: Description: Fiducial Marker
FID1#3 FID2#3 FID3#5 FID4#4 = -: Description: Fiducial Marker; ki_fp_filters: Fiducial*
J1 J1#2 J1#3 J1#5 J1#6 = -: Datasheet: https://cdn.harwin.com/pdfs/M20-781.pdf; Description: SparkFun header for Raspberry Pi; PROD_ID: CONN-24972
J1#4 = -: Datasheet: https://cdn.harwin.com/pdfs/M20-781.pdf; Description: SparkFun header for Raspberry Pi; PROD_ID: CONN-24972; ki_fp_filters: PinHeader*2x20*P2.54mm*Vertical* PinSocket*2x20*P2.54mm*Vertical*
J2 J2#2 J2#4-J2#6 J4 J4#3-J4#6 = -: Datasheet: https://gct.co/files/drawings/bf030.pdf; Description: BF030-20A-B1-0360-0277-0600-LB 2x10 2.0mm Header; PROD_ID: CONN-22476
J2#3 J4#2 = -: Datasheet: https://gct.co/files/drawings/bf030.pdf; Description: BF030-20A-B1-0360-0277-0600-LB 2x10 2.0mm Header; PROD_ID: CONN-22476; ki_fp_filters: Connector*:*_1x??_*
J3 J3#2-J3#5 = -: Datasheet: https://mm.digikey.com/Volume0/opasdata/d220001/medias/docus/2607/UFL%20Series.pdf; Description: SMA PCB Edge Mount connector SMD; PROD_ID: CONN-09193
J3#6 = -: Datasheet: https://mm.digikey.com/Volume0/opasdata/d220001/medias/docus/2607/UFL%20Series.pdf; Description: SMA PCB Edge Mount connector SMD; PROD_ID: CONN-09193; ki_fp_filters: *BNC* *SMA* *SMB* *SMC* *Cinch* *LEMO*
J5 J5#2-J5#4 J5#6 = -: Datasheet: https://tools.molex.com/pdm_docs/sd/1050270001_sd.pdf; Description: Micro SD socket External Pin; PROD_ID: CONN-20948
J5#5 = -: Datasheet: https://tools.molex.com/pdm_docs/sd/1050270001_sd.pdf; Description: Micro SD socket External Pin; PROD_ID: CONN-20948; ki_fp_filters: microSD*
J6 J6#2-J6#4 J6#6 = -: Datasheet: https://www.usb.org/sites/default/files/documents/usb_type-c.zip; Description: USB 2.0-only Type-C Receptacle connector; PROD_ID: CONN-14122
J6#5 = -: Datasheet: https://www.usb.org/sites/default/files/documents/usb_type-c.zip; Description: USB 2.0-only Type-C Receptacle connector; PROD_ID: CONN-14122; ki_fp_filters: USB*C*Receptacle*
J7 J7#2-J7#5 = -: Datasheet: https://www.sparkfun.com/datasheets/Wireless/Antenna/SMA-Connector.pdf; Description: SMA PCB Edge Mount connector; PROD_ID: CONN-08289
J7#6 = -: Datasheet: https://www.sparkfun.com/datasheets/Wireless/Antenna/SMA-Connector.pdf; Description: SMA PCB Edge Mount connector; PROD_ID: CONN-08289; ki_fp_filters: *BNC* *SMA* *SMB* *SMC* *Cinch* *LEMO*
J8 J8#2-J8#4 J8#6 = -: Datasheet: https://www.jst-mfg.com/product/pdf/eng/eSH.pdf; Description: 4 pin JST 1mm polarized connector for I2C; PROD_ID: CONN-14483
J8#5 = -: Datasheet: https://www.jst-mfg.com/product/pdf/eng/eSH.pdf; Description: 4 pin JST 1mm polarized connector for I2C; PROD_ID: CONN-14483; ki_fp_filters: Connector*:*_1x??_*
JP1 JP2#4 = -: Description: Solder Jumper, 3-pole, pins 1+2+3 closed/bridged; ki_fp_filters: SolderJumper*Bridged123*
JP1#2-JP1#6 JP2 JP2#2 JP2#3 JP2#5 JP2#6 = -: Description: Solder Jumper, 3-pole, pins 1+2+3 closed/bridged
